# KiCad board SevenSegment.kicad_pcb (continued)
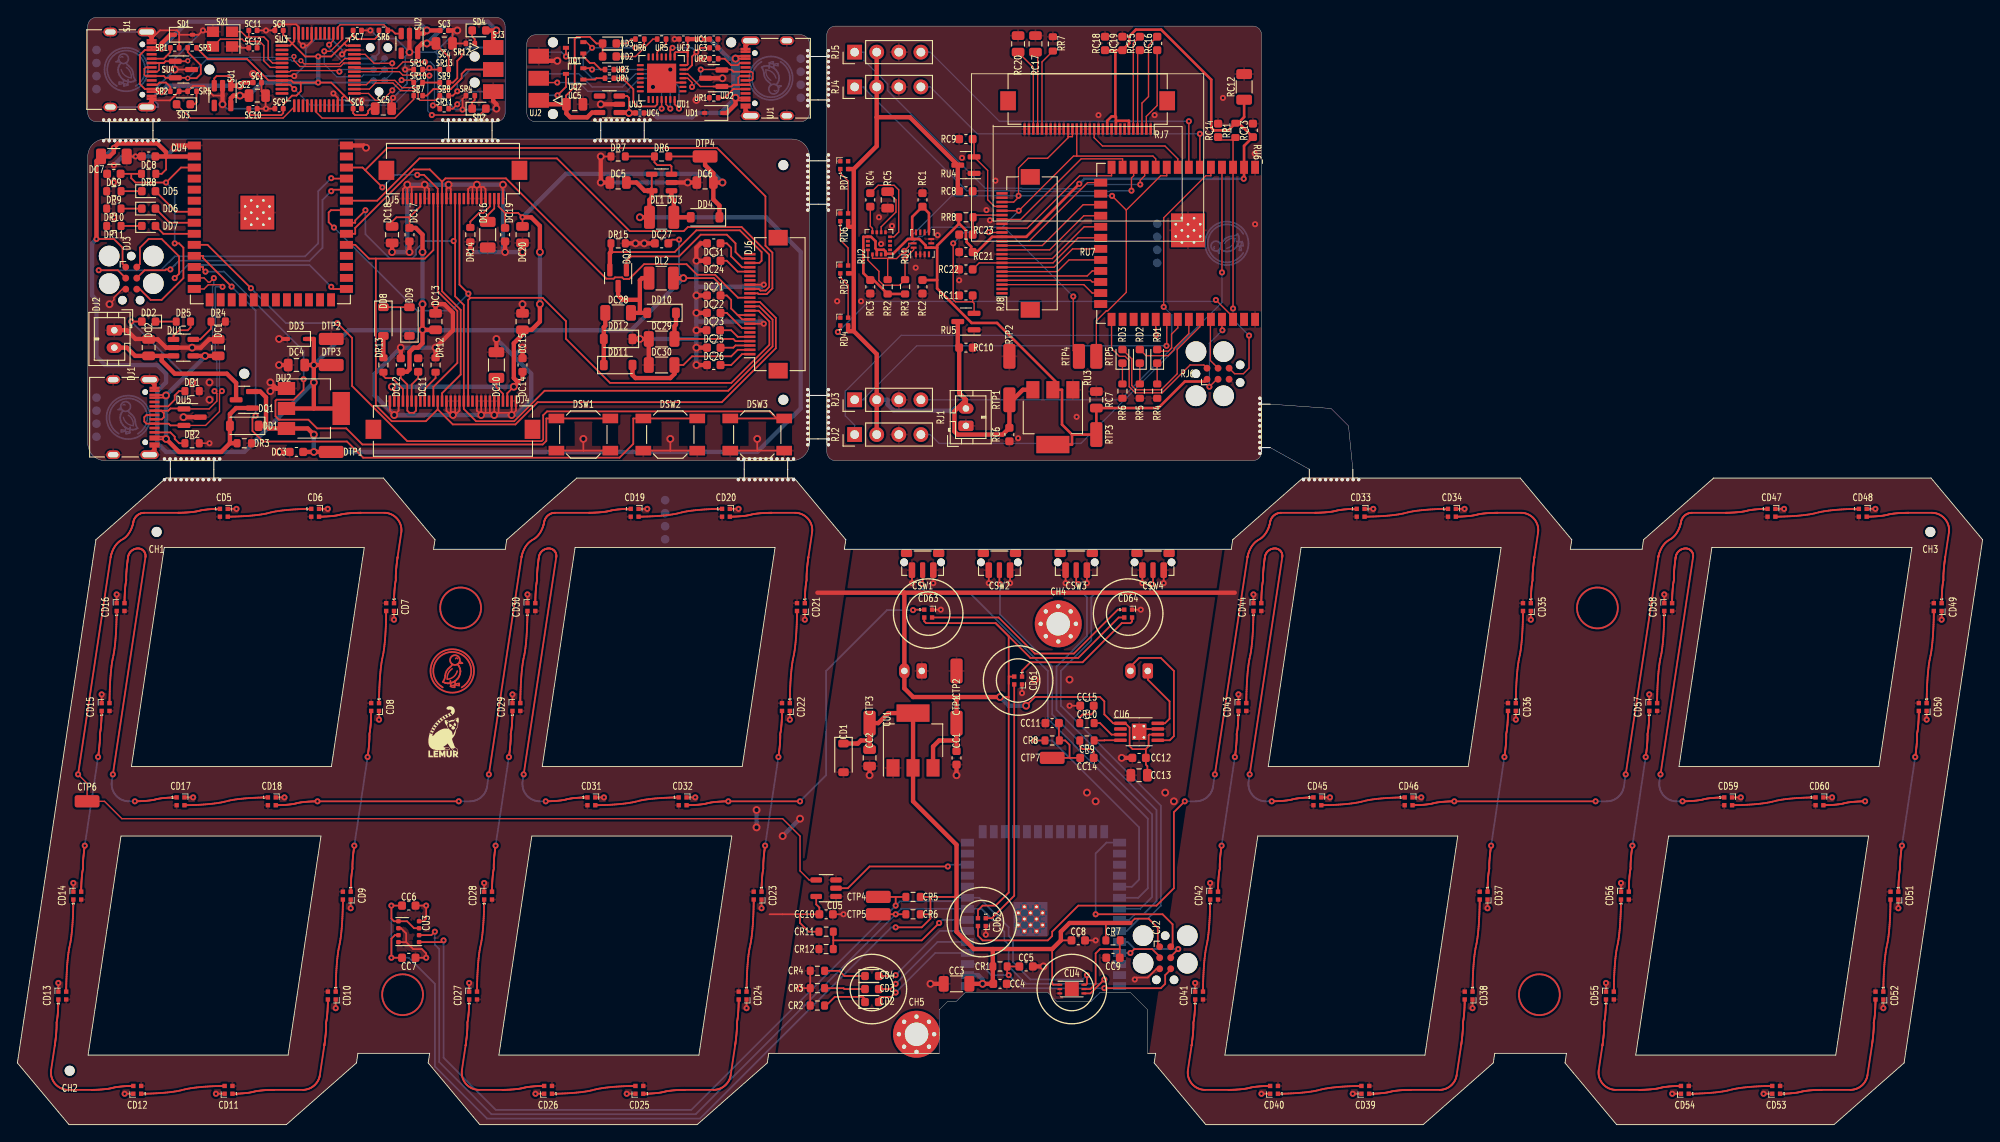
[diagram p0: board, top side]
## Nets (continued)
digit[3].led[9].dout: CD56.3 CD57.1
digit[3].led[10].dout: CD57.3 CD58.1
digit[3].led[11].dout: CD58.3 CD59.1
digit[3].led[12].dout: CD59.3 CD60.1
en_pull.io: SR6.2 SU2.3 SU3.38
epd.boost.boot_cap.neg: DC28.2 DD11.1 DD12.2
epd.boost.inductor.b: DC28.1 DD10.2 DL2.2 DQ2.3
epd.boost.neg_out: DC30.2 DD11.2 DJ6.2
epd.boost.pos_out: DC29.1 DD10.1 DJ6.4
epd.busy: DJ6.16 DU4.35
epd.device.gdr: DJ6.23 DQ2.1
epd.device.nc_vgl: DC31.2 DJ6.21
epd.device.rese: DJ6.22 DQ2.2 DR15.1
epd.device.vcom: DC26.1 DJ6.1
epd.device.vdd1v8: DC22.1 DJ6.7
epd.device.vsh: DC23.1 DJ6.5
epd.device.vshr: DC24.1 DJ6.20
epd.device.vsl: DC25.2 DJ6.3
i2c_chain_0.scl: CR5.2 CTP4.1 CU2.9 CU3.4 CU4.6 RJ7.18 RJ8.20 RR2.2 RTP4.1 RU1.13 RU2.1 RU6.10
i2c_chain_0.sda: CR6.2 CTP5.1 CU2.8 CU3.3 CU4.4 RJ7.19 RJ7.20 RJ8.22 RR3.2 RTP5.1 RU1.14 RU2.16 RU6.9
imu.int1: RU1.4
imu.int2: RU1.9
led.res.a: UD2.1 UR5.1
led_en.res.a: UD3.1 UR6.1
led_target.res.a: SD4.1 SR12.1
led_tgt.res.a: SD2.1 SR4.1
led_tgt.signal: SD2.2 SU3.30
led_usb.res.a: SD3.1 SR5.1
led_usb.signal: SD3.2 SU3.13
ledb.res.a: CD4.1 CR4.1 DD7.1 DR11.1 RD3.1 RR6.1
ledb.signal: CD4.2 CU2.6 DD7.2 DU4.9 RD3.2 RU6.35
ledg.res.a: CD3.1 CR3.1 DD6.1 DR10.1 RD2.1 RR5.1
ledg.signal: CD3.2 CU2.5 DD6.2 DU4.8 RD2.2 RU6.34
ledr.res.a: CD2.1 CR2.1 DD5.1 DR9.1 RD1.1 RR4.1
ledr.signal: CD2.2 CU2.4 DD5.2 DU4.7 RD1.2 RU6.33
mcu.program_boot_node: CJ2.2 CU2.27 DJ3.2 DU4.27 RJ6.2 RU6.27
mcu.program_en_node: CC5.1 CJ2.6 CR1.2 CU2.3 DC9.1 DJ3.6 DR8.2 DU4.3 RC14.1 RJ6.6 RR1.2 RU6.3
mcu.program_uart_node.a_tx: CJ2.3 CU2.37 DJ3.3 DU4.37 RJ6.3 RU6.37
mcu.program_uart_node.b_tx: CJ2.4 CU2.36 DJ3.4 DU4.36 RJ6.4 RU6.36
mcu.swd.swo: SJ2.6 SU3.39
mcu.swd_node.reset: SJ2.3 SU3.7
mcu.swd_node.swclk: SJ2.4 SU3.37
mcu.swd_node.swdio: SJ2.2 SU3.34
mcu.xtal_node.driver.xtal_in: SC11.1 SU3.5 SX1.1
mcu.xtal_node.driver.xtal_out: SC12.1 SU3.6 SX1.3
meta.dout: CD61.1 CD64.3
meta.led[0].dout: CD63.3 CD64.1
oled22.device.vcomh: DC16.1 DJ5.3
oled22.iref_res.a: DJ5.4 DR14.1
oled28.cs: DJ4.12 DJ5.17 DJ6.13 DU4.31
oled28.dc: DJ4.13 DJ5.15 DJ6.14 DU4.32
oled28.device.vcomh: DC10.1 DJ4.27
oled28.device.vdd: DC11.1 DJ4.6
oled28.device.vsl: DJ4.4 DR13.1
oled28.iref_res.a: DJ4.9 DR12.1
oled28.reset: DJ4.11 DJ5.16 DJ6.15 DU4.38
oled28.spi.mosi: DJ4.19 DJ5.11 DJ6.11 DU4.34
oled28.spi.sck: DJ4.18 DJ5.12 DJ6.12 DU4.33
oled28.vsl_d1.cathode: DD8.1 DD9.2
oled28.vsl_res.b: DD8.2 DR13.2
oled.c1_cap.neg: RC15.2 RJ7.5
oled.c1_cap.pos: RC15.1 RJ7.4
oled.c2_cap.neg: RC16.2 RJ7.3
oled.c2_cap.pos: RC16.1 RJ7.2
oled.device.vcc: RC20.1 RJ7.28
oled.device.vcomh: RC17.1 RJ7.27
oled.iref_res.a: RJ7.26 RR7.1
oled.reset: RJ7.14 RU6.8
pwr: CC1.1 CC10.1 CC12.1 CC13.1 CD5.2 CD6.2 CD7.2 CD8.2 CD9.2 CD10.2 CD11.2 CD12.2 CD13.2 CD14.2 CD15.2 CD16.2 CD17.2 CD18.2 CD19.2 CD20.2 CD21.2 CD22.2 CD23.2 CD24.2 CD25.2 CD26.2 CD27.2 CD28.2 CD29.2 CD30.2 CD31.2 CD32.2 CD33.2 CD34.2 CD35.2 CD36.2 CD37.2 CD38.2 CD39.2 CD40.2 CD41.2 CD42.2 CD43.2 CD44.2 CD45.2 CD46.2 CD47.2 CD48.2 CD49.2 CD50.2 CD51.2 CD52.2 CD53.2 CD54.2 CD55.2 CD56.2 CD57.2 CD58.2 CD59.2 CD60.2 CD61.2 CD62.2 CD63.2 CD64.2 CJ1.2 CR11.1 CTP1.1 CU1.3 CU5.5 CU6.1 CU6.6 DC3.1 DC5.1 DD1.1 DL1.1 DQ1.2 DTP1.1 DU2.3 DU3.4 DU3.5
reg_12v.fb.output: DR6.2 DR7.1 DU3.3
reg_12v.power_path.switch: DD4.2 DL1.2 DU3.1
rgb_shift.input: CU2.12 CU5.2
rgb_shift.output: CD5.1 CTP6.1 CU5.4
rgbs.din: RD4.1 RU6.38
rgbs.dout: RD7.3
rgbs.led[0].dout: RD4.3 RD5.1
rgbs.led[1].dout: RD5.3 RD6.1
rgbs.led[2].dout: RD6.3 RD7.1
servo1.fb: RJ2.4 RU6.4
servo1.pwm: RJ2.1 RU6.31
servo2.fb: RJ3.4 RU6.5
servo2.pwm: RJ3.1 RU6.32
servo3.fb: RJ4.4 RU6.6
servo3.pwm: RJ4.1 RU6.12
servo4.fb: RJ5.4 RU6.7
servo4.pwm: RJ5.1 RU6.11
spk_chain_0: CR8.1 CU2.31
spk_chain_1: CC11.1 CC14.2 CR8.2 CTP7.1
spk_chain_2.a: CJ3.1 CU6.8
spk_chain_2.b: CJ3.2 CU6.5
spk_drv.inn_cap.pos: CC15.1 CR10.1
spk_drv.inn_res.b: CR10.2 CU6.3
spk_drv.inp_cap.pos: CC14.1 CR9.1
spk_drv.inp_res.b: CR9.2 CU6.4
sw[0].out: CSW1.2 CU2.32 DSW1.1 DU4.12
sw[1].out: CSW2.2 CU2.33 DSW2.1 DU4.11
sw[2].out: CSW3.2 CU2.34 DSW3.1 DU4.10
sw[3].out: CSW4.2 CU2.35
target_drv.reset_in: SR7.1 SU3.18
target_drv.swclk_in: SR8.1 SU3.26
target_drv.swd.reset: SJ3.3 SR7.2
target_drv.swd.swclk: SJ3.4 SR8.2
target_drv.swd.swdio: SJ3.2 SR9.2
target_drv.swdio_in: SR10.1 SU3.25
target_drv.swdio_out: SR9.1 SR10.2 SU3.27
target_drv.swo_in: SJ3.6 SR11.2
target_drv.swo_out: SR11.1 SU3.31
target_sense.output: SR13.2 SR14.1 SU3.10
usb.conn.A5: DJ1.A5 DR1.2 SJ1.A5 SR1.2
usb.conn.B5: DJ1.B5 DR2.2 SJ1.B5 SR2.2
usb_chain_0.d_N: DJ1.A7 DJ1.B7 DU4.13 DU5.1 SJ1.A7 SJ1.B7 SU3.32 SU4.1 UJ1.A7 UJ1.B7 UU1.5 UU2.1
usb_chain_0.d_P: DJ1.A6 DJ1.B6 DU4.14 DU5.2 SJ1.A6 SJ1.B6 SR3.2 SU3.33 SU4.2 UJ1.A6 UJ1.B6 UU1.4 UU2.2
usb_uart.conn.A5: UJ1.A5 UR1.2
usb_uart.conn.B5: UJ1.B5 UR2.2
usbconv.cts: UU1.23
usbconv.dcd: UU1.1
usbconv.dsr: UU1.27
usbconv.dtr: UQ2.2 UR3.1 UU1.28
usbconv.ic.vdd: UC3.1 UU1.6 UU1.9
usbconv.nsuspend: UU1.11
usbconv.ri: UU1.2
usbconv.rts: UQ1.2 UR4.1 UR6.2 UU1.24
usbconv.suspend: UR5.2 UU1.12
usbconv.uart.rx: UJ2.3 UU1.25
usbconv.uart.tx: UJ2.4 UU1.26
vtarget: SC4.1 SD4.2 SJ3.1 SR13.1 SU2.5
vusb: DC1.1 DD1.2 DD2.2 DJ1.A4 DJ1.A9 DJ1.B4 DJ1.B9 DQ1.1 DR3.1 DU1.4 SC1.1 SC3.1 SD1.1 SJ1.A4 SJ1.A9 SJ1.B4 SJ1.B9 SU1.1 SU1.3 SU2.1 UC1.1 UC2.1 UC4.1 UD1.1 UJ1.A4 UJ1.A9 UJ1.B4 UJ1.B9 UU1.7 UU1.8 UU3.1 UU3.3

Pads without a net: CH4 1; CH5 1; CSW1 MP; CSW2 MP; CSW3 MP; CSW4 MP; CU2 10 11 13 14 15 16 17 18 19 20 21 22 23 24 25 26 28 29 30 38 39; CU4 7; CU6 2; DJ1 A8 B8; DJ4 8 10 20 MP; DJ5 10 21 MP; DJ6 6 18 19 24 MP; DU4 4 5 6 15 16 17 18 19 20 21 22 23 24 25 26 28 29 30 39; RJ7 7 MP; RJ8 24 MP; RU1 10 11; RU2 3 5 6 7 14; RU6 16 26 28 29 30 39; SJ1 A8 B8; SU1 4; SU2 4; SU3 2 3 4 11 12 14 15 16 17 19 20 21 22 28 29 40 41 42 43 45 46; UJ1 A8 B8; UU1 10 13 14 15 16 17 18 19 20 21 22; UU3 4

## Via types
v1: diameter 4.9, hole 4.5, Front to Back, 4 vias
v2: diameter 0.9, hole 0.5, Front to Back, 106 vias
v3: diameter 0.7, hole 0.3, Front to Back, 262 vias
v4: diameter 0.6, hole 0.3, Front to Back, 4 vias

## Routing (per net, layer and track width the routed paths; a pad name or vN(x,y) marks a point on that pad's centre or on a via; arc(x,y) is an arc through that point)
gnd: length 554.7
  Front w0.16: DJ3.5 12.07,96.13 11.09,95.15 11.09,94.9 v2(10.59,94.4) ; DR2.1 v3(22.09,78.4)
  Front w0.2: v3(40.59,125.9) SC7.2 ; v3(39.59,117.9) 39.58,117.88 SC6.2 ; 54.34,81.9 54.84,81.9 ; 54.34,81.9 DJ4.24 ; 54.34,81.9 53.84,81.9 ; 54.84,81.9 55.34,81.9 ; 54.84,81.9 v2(54.84,81.65) ; 54.84,81.9 DJ4.25 ; CD45.4 v3(150.97,37.65) ; CD7.4 v3(43.32,58.1) ; 105.34,63.8 v3(105.34,62.3) ; SC9.2 v3(28.59,116.9) ; v3(28.59,116.9) 28.55,116.95 SC2.2 28.08,118.87 SC1.2 28.08,120.42 27.59,120.9 v2(27.09,120.9) ; v3(28.59,116.9) SC10.2 ; CD60.4 v3(208.72,37.65) ; CD8.4 v3(41.59,46.6) ; SU4.3 v2(18.09,121.4) ; DJ5.13 49.84,107.65 49.59,107.9 ; DJ5.1 v2(55.84,108.15) ; CU3.5 44.72,21 ; 44.72,21 45.52,20.2 46.52,20.2 47.02,19.7 v3(47.02,19.2) CC7.2 ; 44.72,21 44.72,22 44.11,22.6 CU3.7 ; UU1.3 74.59,119.9 UU1.29 v2(73.09,119.4) v2(75.09,121.4) ; 46.84,107.9 v2(46.84,108.15) ; 46.84,107.9 DJ5.19 ; 46.84,107.9 45.34,107.9 ; 46.84,107.9 47.09,107.9 47.34,107.65 DJ5.18 ; SC11.2 v3(28.59,125.9) 29.31,125.9 ; DJ4.29 56.84,81.9 ; 56.84,81.9 v2(56.84,81.65) ; 56.84,81.9 57.09,81.9 57.34,82.15 DJ4.30 ; 56.84,81.9 55.34,81.9 ; CD29.4 v3(56.94,49.5) ; DJ4.14 49.34,82.15 49.59,81.9 49.84,81.9 ; DJ5.9 51.84,107.65 52.09,107.9 52.34,107.9 ; CD59.4 v3(198.22,37.65) ; DJ4.1 42.84,82.15 v2(43.34,81.65) 43.84,82.15 DJ4.3 ; 65.09,77.55 DSW1.2 ; 65.09,77.55 v2(65.09,78.9) ; 65.09,77.55 DSW1.2 ; DSW2.2 75.09,77.55 ; 75.09,77.55 v2(75.09,78.9) ; 75.09,77.55 DSW2.2 ; CD11.4 v3(22.83,3.55) ; 85.09,77.55 DSW3.2 ; 85.09,77.55 v2(85.09,78.9) ; 85.09,77.55 DSW3.2 ; CD24.4 v3(83.86,13.4) ; CD20.4 v3(82.94,70.85) ; SR12.2 SC4.2 50.05,125.9 ; SU3.8 v3(31.84,120.65) ; DJ5.22 45.34,107.9 ; 45.34,107.9 44.84,107.9 ; CD33.4 v3(155.94,70.85) ; 49.84,81.9 DJ4.15 ; 49.84,81.9 50.09,81.9 ; CD52.4 v3(214.61,13.4) ; SR14.2 v3(44.59,121.4) ; SJ1.B1 SJ1.A12 ; UR2.1 v3(78.59,122.65) ; CD9.4 v3(38.34,24.9) ; 15.44,124.95 16.4,125.91 18.35,125.91 18.61,125.66 18.61,125.4 ; 44.84,107.9 DJ5.23 ; 44.84,107.9 44.59,107.9 44.34,107.65 DJ5.24 ; 44.84,107.9 v2(44.84,108.15) ; CR3.2 v3(90.02,15.7) ; CR3.2 CR2.2 ; CR3.2 CR4.2 ; CSW1.1 v3(102.89,62.3) ; CD25.4 v3(70.08,3.55) ; CSW2.1 v3(111.72,62.3) ; SU3.44 33.84,124.65 33.34,124.15 v3(32.84,124.15) 32.34,124.65 SU3.47 32.34,126.31 32.05,126.6 30.01,126.6 29.31,125.9 ; DJ5.14 49.34,107.65 49.59,107.9 ; 53.84,81.9 53.34,81.9 ; 53.84,81.9 DJ4.23 ; 189.42,60 v3(189.42,61) ; SC12.2 25.8,123.9 25.65,124.05 SX1.4 ; CD21.4 v3(90.57,58.1) ; SX1.2 21.5,125.75 v3(21.34,125.9) 20.84,125.4 SD1.2 18.61,125.4 ; DJ5.6 53.34,107.9 ; 53.34,107.9 53.59,107.9 53.84,107.65 DJ5.5 ; 53.34,107.9 52.84,107.9 ; CD44.4 v3(142.17,61) ; DJ5.7 52.84,107.9 ; 52.84,107.9 52.34,107.9 ; 52.84,107.9 v2(52.84,108.15) ; 29.31,125.9 SC8.2 ; 53.34,81.9 53.09,81.9 52.84,82.15 DJ4.21 ; 53.34,81.9 DJ4.22 ; 53.34,81.9 v2(53.34,81.65) ; 55.34,81.9 DJ4.26 ; DJ4.17 50.84,82.15 50.59,81.9 50.34,81.9 ; 36.61,14.4 v3(36.61,13.4) ; CC10.2 v3(95.02,24.2) ; SU3.23 36.84,118.15 v3(36.34,118.65) ; CD6.4 v3(35.69,70.85) ; CD63.4 v3(106.2,59.25) ; CD26.4 v3(59.58,3.55) ; CD38.4 v3(167.36,13.4) ; CJ2.5 131.02,17.93 130.01,16.93 128.74,16.93 v3(128.51,16.7) ; UC2.2 v3(75.59,124.9) ; DJ5.8 52.34,107.9 ; CD37.4 v3(169.09,24.9) ; CU6.7 129.34,45.53 ; CD55.4 v3(182.71,16.3) ; 18.61,125.4 SR1.1 ; CC8.2 v3(124.02,21.2) ; 50.09,81.9 50.34,81.9 ; 50.09,81.9 v2(50.09,81.65) ; 50.34,81.9 DJ4.16 ; CD43.4 v3(140.44,49.5) ; SC5.2 43.05,117.99 v3(43.21,118.15) ; CD17.4 v3(20.22,37.65) ; CD5.4 v3(25.19,70.85) ; CD61.4 v3(115.55,49.65) ; CD53.4 v3(200.84,3.55) ; 49.59,107.9 v2(49.59,108.15) ; CSW3.1 v3(120.56,62.3) ; CD48.4 v3(213.69,70.85) ; v3(37.34,123.15) 37.84,123.65 SU3.35 ; 15.44,117.85 17.55,117.85 SR2.1 SR5.2 20.2,119.51 21.43,119.51 22.54,118.4 23.59,118.4 ; 174.07,59.1 v3(174.07,58.1) ; CD16.4 v3(11.42,61) ; CD30.4 v3(58.67,61) ; CD62.4 v3(111.38,21.85) ; CSW3.1 v3(123.01,62.3) ; CD41.4 v3(135.46,16.3) ; CD22.4 v3(88.84,46.6) ; CD54.4 v3(190.34,3.55) ; v3(51.2,116.8) 51.2,118.01 SR4.2 ; CD14.4 v3(6.44,27.8) ; CD40.4 v3(143.09,3.55) ; CSW4.1 v3(131.84,62.3) ; DJ6.8 v3(85.84,92.15) ; 221.32,59.1 v3(221.32,58.1) ; CD19.4 v3(72.44,70.85) ; CC15.2 v3(121.02,48.2) ; CD28.4 v3(53.69,27.8) ; DJ6.17 v3(85.84,96.65) ; 4.71,15.3 v3(4.71,16.3) ; DC8.2 v3(13.59,111.4) DC7.2 ; CD64.4 v3(129.21,59.25) ; CD46.4 v3(161.47,37.65) ; CC6.2 v3(47.02,25.2) 47.02,23.7 46.72,23.4 CU3.1 ; CSW4.1 v3(129.39,62.3) ; CD31.4 v3(67.47,37.65) ; CD32.4 v3(77.97,37.65) ; 216.34,25.9 v3(216.34,24.9) ; CD36.4 v3(172.34,46.6) ; CD34.4 v3(166.44,70.85) ; 9.69,48.5 v3(9.69,49.5) ; SJ1.B12 SJ1.A1 ; CSW2.1 v3(114.17,62.3) ; CD23.4 v3(85.59,24.9) ; 137.19,26.8 v3(137.19,27.8) ; CD12.4 v3(12.33,3.55) ; CD39.4 v3(153.59,3.55) ; 51.96,15.3 v3(51.96,16.3) ; CD47.4 v3(203.19,70.85) ; CD50.4 v3(219.59,46.6) ; CD57.4 v3(187.69,49.5) ; CD56.4 v3(184.44,27.8) ; DR7.2 v2(67.09,111.4) ; CD18.4 v3(30.72,37.65)
  Front w0.5: 29.8,84.7 v2(29.09,85.4) ; 29.8,84.7 29.39,84.7 v2(29.09,84.4) ; 29.8,84.7 DU2.1 29.8,84.7 ; DR14.2 v2(52.09,100.4) ; DC23.2 v2(78.09,91.4) ; DC12.2 v2(44.09,89.4) ; DC25.1 v2(78.09,89.4) ; DC26.2 v2(78.09,87.4) ; DJ1.S1 15.77,85.16 DJ1.A1 ; DU3.2 v2(77.09,108.4) DC6.2 ; DD12.1 v2(71.59,90.4) DC29.2 DC30.1 ; UJ1.S1 83.75,124.16 UJ1.A12 ; DC15.2 v2(58.09,94.4) ; DC24.2 v2(78.09,99.4) 78.09,100.9 78.59,101.4 DC31.1 ; SJ1.A1 15.44,125.16 SJ1.S1 ; DC13.2 v2(48.09,94.4) 49.09,94.4 50.09,93.4 50.09,91.4 v2(48.09,89.4) DR12.2 ; DR15.2 v2(71.09,101.4) v2(72.09,101.4) DC27.2 ; DC21.2 v2(78.09,95.4) ; DC22.2 v2(78.09,93.4) ; CC1.2 v2(108.02,40.2) ; DU4.1 18.36,112.66 v2(18.09,112.4) ; v2(55.09,116.9) 55.09,117.4 54.72,117.77 SJ3.5 ; DD3.2 v2(30.09,90.4) ; DC3.2 v2(30.09,77.4) ; v2(23.59,117.4) SU1.2 ; DC17.2 v2(45.09,100.4) ; UU3.2 v2(67.09,117.4) ; DC1.2 22.05,90.35 21.09,89.4 v2(20.09,89.4) DU1.2 17.09,89.4 16.14,90.35 DC2.2 15.05,90.4 13.59,90.4 12.59,91.4 DJ2.1 ; DC4.2 v2(30.09,87.4) ; UJ1.A1 83.75,116.65 UJ1.S1 ; SU2.2 v2(45.09,123.4) ; DJ1.S1 15.77,77.65 DJ1.A12 ; CC2.2 v2(98.02,40.2) ; 65.14,117.3 UC5.2 ; v2(40.09,112.4) 39.83,112.66 DU4.40 ; SC3.2 v2(50.59,125.9) ; DC20.2 v2(58.09,100.4) ; DU5.3 v2(19.09,81.4) ; DC19.2 v2(56.09,100.4) ; CC12.2 v2(127.02,42.2) ; DC5.2 v2(67.09,108.4) v2(67.09,111.4) ; UU2.3 v2(81.09,120.4) ; CC5.2 v2(118.02,18.2) ; v2(62.09,122.4) 60.5,122.4 UJ2.5 ; DC18.2 v2(43.09,100.4) ; DC10.2 v2(55.09,90.4) ; SJ1.A12 15.44,117.65 SJ1.S1 ; DC14.2 v2(58.09,89.4) ; CC3.2 v2(105.02,16.2)
  Back w0.2: v2(27.09,120.9) 27.34,120.65 v3(31.84,120.65) 33.16,121.97 33.16,123.83 ; 33.16,123.83 v3(32.84,124.15) ; 33.16,123.83 34.19,124.86 36.15,124.86 37.34,123.67 v3(37.34,123.15) 37.83,122.67 SJ2.5 41.59,123.31 41.59,124.96 ; v3(28.59,116.9) 24.09,116.9 v2(23.59,117.4) ; 41.59,124.96 40.66,125.9 v3(40.59,125.9) ; 41.59,124.96 43.53,124.96 v2(45.09,123.4) ; v2(45.09,123.4) 44.59,122.9 v3(44.59,121.4) 44.81,121.19 44.81,119.75 v3(43.21,118.15) 42.9,117.84 39.65,117.84 v3(39.59,117.9) 37.09,117.9 v3(36.34,118.65) ; v2(45.09,123.4) 48.09,123.4 ; SJ1.S1 SJ1.S1 ; v3(21.34,125.9) 18.09,122.65 v2(18.09,121.4) 15.85,119.15 15.85,117.72 16.18,117.39 16.18,117.08 SJ1.S1 SJ1.S1 ; 48.09,123.4 48.35,123.15 48.35,118.79 50.35,116.8 v3(51.2,116.8) 54.99,116.8 v2(55.09,116.9) ; 48.09,123.4 v2(50.59,125.9)
  Back w0.5: 78.09,92.4 v2(78.09,93.4) v2(78.09,95.4) 78.09,96.4 ; 78.09,92.4 85.59,92.4 v3(85.84,92.15) ; 78.09,92.4 v2(78.09,91.4) 78.09,90.4 ; 57.09,88.4 v2(55.09,90.4) ; 57.09,88.4 v2(58.09,89.4) ; 57.09,88.4 59.09,86.4 59.09,83.4 57.34,81.65 v2(56.84,81.65) v2(54.84,81.65) v2(53.34,81.65) v2(50.09,81.65) v2(43.34,81.65) 41.09,83.9 41.09,86.4 v2(44.09,89.4) v2(48.09,89.4) ; v2(56.09,100.4) v2(58.09,100.4) ; v2(56.09,100.4) 55.84,100.65 v2(55.84,108.15) v2(52.84,108.15) v2(49.59,108.15) v2(46.84,108.15) v2(44.84,108.15) 44.84,100.65 v2(45.09,100.4) v2(43.09,100.4) ; v2(56.09,100.4) v2(52.09,100.4) ; 78.09,96.4 85.59,96.4 v3(85.84,96.65) ; 78.09,96.4 v2(78.09,99.4) ; v2(78.09,87.4) v2(78.09,89.4) 78.09,90.4 ; 78.09,90.4 v2(71.59,90.4) ; v2(18.09,112.4) 17.09,111.4 v3(13.59,111.4) 12.09,111.4 v3(11.09,110.4) ; v2(67.09,108.4) v2(77.09,108.4)
  vias: v2(20.09,85.4) v2(22.09,85.4) v2(22.09,83.4) v2(78.09,117.9) v2(117.02,51.2) v2(121.02,51.2) v2(123.02,38.2) v2(124.02,37.2) v2(132.01,38.2) v2(133.01,37.2) v3(11.09,108.4) v3(11.09,104.4) v3(94.29,94.74) v3(97.03,94.74) v3(99.09,104.4) v3(99.34,101.33) v3(100.59,103.4) v3(103.32,98.6) v3(105.84,102.34) v3(108.32,97.15) v3(108.65,111.24) v3(111.46,105.23) v3(111.86,104.05) v3(112.49,108.61) v3(115.1,78.98) v3(121.83,81.44) v3(124.34,116.15) v3(130.8,116.15) v3(138.65,118.13) v3(142.31,111.73) v3(142.35,103.6)
v1v2: length 17.1
  Front w0.15: v3(111.73,102.69) 111.76,102.65 RJ8.15 ; 109.87,94.67 110.03,94.51 RU5.2 ; 109.87,94.67 107.89,94.67 107.63,94.94 v3(107.63,101.4) ; 109.87,94.67 RC11.1
  Back w0.15: v3(111.73,102.69) 108.92,102.69 v3(107.63,101.4)
v2v5: length 9.7
  Front w0.15: RC9.1 110.03,113.24 RU4.2 111.59,109.79 111.59,106.42 112.37,105.65 RJ8.21
v3v3: length 687.1
  Front w0.2: DJ5.20 46.34,105.65 45.09,104.4 ; 105.02,24.2 105.02,23.7 104.02,22.7 v3(101.02,22.7) ; 105.02,24.2 103.84,24.2 ; 105.02,24.2 105.02,26.2 ; SR3.1 21.89,122.61 26.41,122.61 28.87,120.15 SU3.9 31.5,120.15 31.75,119.9 32.59,119.9 ; SC7.1 38.61,125.42 ; 38.61,125.42 37.59,124.4 ; 38.61,125.42 38.61,125.38 39.09,124.9 41.09,124.9 41.58,125.39 SR6.1 ; 17.09,111.4 17.09,109.9 16.59,109.4 DR8.1 ; DC18.1 43.09,103.9 43.59,104.4 45.09,104.4 ; SU3.36 37.84,124.15 37.59,124.4 ; 119.02,20.2 119.02,16.2 119.11,16.1 CU4.1 ; CC6.1 v3(43.02,25.2) 43.02,23.7 43.31,23.4 CU3.8 44.81,23.4 45.61,22.6 CU3.2 ; 82.84,93.15 82.09,93.9 82.09,94.9 81.59,95.4 DC21.1 80.87,96.62 80.09,97.4 v2(76.59,97.4) ; 82.84,93.15 83.34,92.65 DJ6.9 ; 82.84,93.15 DJ6.10 ; 31.59,124.4 30.58,125.42 SC8.1 ; 31.59,124.4 31.84,124.65 SU3.48 ; 31.59,124.4 33.09,122.9 v3(34.59,122.9) 36.09,122.9 37.59,124.4 ; 31.59,124.4 31.34,124.15 SU3.1 ; CR7.1 125.19,23.12 125.27,23.2 ; CJ2.1 131.17,20.68 131.17,22.64 130.1,23.7 128.51,23.7 128.01,23.2 ; UC5.1 63.09,117.45 63.09,118.4 64.09,119.4 64.09,124.9 64.34,125.15 65.84,125.15 66.59,124.4 UD3.2 UD2.2 ; 108.02,26.2 105.02,26.2 ; 105.02,26.2 103.84,26.2 ; 45.09,104.4 DC17.1 ; v3(9.09,101.9) 11.09,101.9 12.09,100.9 12.1,100.9 12.1,99.3 12.09,99.3 12.09,99.04 DJ3.1 ; SU3.24 37.34,118.15 37.59,118.4 ; 37.59,118.4 36.09,119.9 v3(34.59,119.9) 32.59,119.9 ; 37.59,118.4 38.61,117.38 SC6.1 38.61,116.38 38.84,116.15 40.09,116.15 40.34,116.4 40.34,116.65 40.59,116.9 SC5.1 ; v3(76.1,101.83) 75.3,101.83 DC27.1 ; CU3.6 43.41,21.8 43.02,21.4 v3(43.02,19.2) CC7.1 ; 120.02,21.2 CC8.1 ; 32.59,119.9 32.59,118.9 32.09,118.4 31.59,118.4 30.58,117.38 SC9.1 30.58,116.38 30.34,116.15 26.84,116.15 26.61,116.38 SC10.1 ; DJ4.7 45.84,82.15 45.59,81.9 45.09,81.9 44.84,82.15 DJ4.5 44.84,85.15 44.09,85.9 DC12.1
  Front w0.3: 140.44,115.28 RC13.1 141.09,112.62 RU6.2 141.09,109.1 141.05,109.06 v3(141.05,108.83) ; 140.44,115.28 141.09,115.93 RC12.1 ; 140.44,115.28 140.15,115.28 RR1.1 139.27,114.4 137.62,114.4 137.31,114.71 137.31,120.23 131.55,125.99 128.64,125.99 127.89,125.24 127.89,124.42 RC19.1 126.28,123.62 ; 126.28,123.62 RC18.1 ; 126.28,123.62 126.28,116.01 ; 126.28,116.01 126.34,115.94 126.34,115.5 ; 126.28,116.01 125.85,116.01 125.34,115.5 RJ7.11 ; 102.92,101.9 102.92,104.45 RC1.1 104.84,104.88 RU1.8 ; 102.92,101.9 102.42,101.9 100.72,100.2 99.84,100.2 ; 102.92,101.9 RU1.12 103.72,101.9 104.47,101.15 104.47,100.9 RU1.5 105.78,100.9 ; 98.84,100.66 98.69,100.81 98.69,101.64 98.19,102.15 97.82,102.15 RU2.13 97.29,102.15 97.29,97.98 RC3.1 98.5,97.18 RR2.1 RR3.1 ; 98.84,100.66 99.65,100.66 99.84,100.47 99.84,100.2 ; 98.84,100.66 RU2.2 ; 108.32,103.68 108.27,103.73 RR8.1 ; 108.32,103.68 109.09,102.9 109.09,101.95 109.19,101.86 109.19,101.53 109.7,101.02 109.7,100.57 RC21.1 110.36,100.4 112.11,102.15 RJ8.14 116.03,102.15 v3(122.14,108.25) ; 108.32,103.68 105.78,101.14 105.78,100.9 ; 105.78,97.18 RC2.1 ; 105.78,97.18 105.78,96.21 109.75,92.24 112.67,92.24 119.62,85.29 119.62,84.55 ; 105.78,97.18 105.78,100.9 ; 99.84,100.2 RU2.4 ; RU3.2 119.62,84.55 ; 119.62,84.55 120.15,84.55 120.15,80.55 121.3,79.4 ; 121.3,79.4 RTP3.1 RC7.1 131.22,82.45 134.27,85.5 136.56,85.5 RJ6.1 ; 121.3,79.4 121.3,78.25 RU3.2 ; 126.34,115.5 RJ7.9 ; 126.34,115.5 127.84,115.5 RJ7.6
  Front w0.5: DU2.2 34.09,82.4 ; 34.09,82.4 v2(34.09,85.4) v2(34.09,87.4) ; 34.09,82.4 DU2.2 ; 112.19,20.2 119.02,20.2 120.02,21.2 120.02,22.2 121.02,23.2 128.01,23.2 ; 112.19,20.2 CR1.1 112.19,16.25 ; 112.19,20.2 110.02,20.2 108.02,22.2 108.02,32.2 103.02,37.2 CU1.2 CU1.2 100.16,47.35 99.02,46.2 CTP3.1 98.02,44.2 ; v2(46.59,91.45) DC13.1 ; v2(46.59,91.45) 46.59,89.9 46.09,89.4 45.59,89.4 45.09,88.9 45.09,86.9 44.82,86.62 DC12.1 ; v2(46.59,91.45) v2(46.59,94.4) ; UU3.5 66.09,116.45 65.55,115.9 63.59,115.9 63.14,116.35 UC5.1 60.42,117.4 UJ2.1 ; v2(34.09,87.4) DTP3.1 ; v2(34.09,87.4) 34.09,90.4 DD3.1 ; v2(34.09,87.4) DC4.1 ; 98.02,44.2 97.02,44.2 96.66,43.85 CD1.1 ; 98.02,44.2 CC2.1 ; SU1.5 24.55,118.1 24.84,118.4 v2(25.59,118.4) SC2.1 ; DC17.1 45.82,103.18 46.59,102.4 v2(46.59,100.4) ; 17.09,111.4 17.11,111.39 DU4.2 ; 17.09,111.4 DC8.1 ; 17.09,111.4 17.09,111.9 16.09,112.9 11.59,112.9 v3(11.09,112.4) 11.09,111.9 10.59,111.4 DC7.1 9.09,110.88 v3(9.09,101.9) ; DL2.1 v2(76.59,97.4) ; CC3.1 112.24,16.2
  Back w0.2: v3(43.02,25.2) v3(43.02,19.2) 45.02,19.2 48.02,16.2 48.02,6.7 54.02,0.7 78.52,0.7 100.52,22.7 v3(101.02,22.7) ; v3(76.1,101.83) 76.1,97.89 v2(76.59,97.4) ; v3(34.59,119.9) 40.73,119.9 SJ2.1
  Back w0.3: v3(122.14,108.25) 122.71,108.83 v3(141.05,108.83)
  Back w0.5: v2(46.59,94.4) v2(46.59,100.4) ; v3(34.59,122.9) v3(34.59,119.9) 28.09,119.9 26.59,118.4 v2(25.59,118.4) ; CU2.2 110,17.21 110.02,17.2 110.52,17.2 111.02,16.7 v2(111.02,16.2) ; v2(76.59,97.4) 70.59,91.4 46.64,91.4 v2(46.59,91.45) 46.55,91.4 38.09,91.4 v2(34.09,87.4) v2(34.09,85.4) 26.09,77.4 17.09,77.4 16.09,78.4 16.09,84.4 17.09,85.4 17.09,86.4 16.09,87.4 10.09,87.4 9.09,88.4 9.09,94.9 8.59,95.4 8.59,101.4 v3(9.09,101.9) 9.09,110.4 v3(11.09,112.4)
v5v_sense.output: length 18.4
  Front w0.2: v3(106.02,23.2) 104.02,21.2 93.84,21.2 ; 93.84,22.2 93.84,21.2 ; 93.84,21.2 93.84,20.2
  Back w0.2: v3(106.02,23.2) 106.38,23.56 CU2.7
v12: length 87.9
  Front w0.2: 56.09,104.9 55.34,105.65 DJ5.2 ; 56.09,104.9 57.59,104.9 v3(58.09,104.4) DC20.1 ; 56.09,104.9 DC19.1 ; 58.09,85.9 57.84,85.65 57.34,85.65 ; DJ4.2 43.34,84.62 v2(43.07,84.9) ; DR6.1 DTP4.1 ; DJ4.28 56.34,84.15 v2(57.09,84.9)
  Front w0.5: v2(57.09,84.9) 57.59,85.4 57.09,85.9 57.09,89.9 58.09,90.9 DC15.1 59.14,91.45 60.09,92.4 v2(60.09,94.4) ; DD4.1 80.75,105.75 80.05,106.45 DC6.1 ; DC6.1 80.05,109.45 79.09,110.4 DTP4.1 ; DC6.1 v2(81.09,108.4) ; DC14.1 58.09,85.9 ; v2(60.09,100.4) 60.09,103.4 59.09,104.4 v3(58.09,104.4)
  Back w0.5: v2(60.09,94.4) v2(60.09,100.4) ; v2(57.09,84.9) v2(43.07,84.9) ; v3(58.09,104.4) 63.09,109.4 80.09,109.4 v2(81.09,108.4)
vbatt: length 123.1
  Front w0.5: RU5.3 108.16,89.56 RC10.1 108.32,84.18 109.09,83.4 ; RJ2.2 RJ3.2 98.84,88.66 96.2,91.3 ; DJ2.2 12.59,89.4 13.55,88.45 DC2.1 16.59,88.45 ; 109.09,83.4 107.77,82.08 107.77,79.76 108.13,79.4 113.32,79.4 RC6.1 RTP1.1 114.49,83.4 115.64,84.55 RU3.3 ; 109.09,83.4 RJ1.2 ; 96.2,97.95 96.2,103.3 ; 96.2,97.95 RD5.2 ; 96.2,97.95 96.2,91.3 ; 96.2,103.3 95.55,103.3 RD6.2 ; 96.2,103.3 96.2,109.95 ; 96.2,91.3 95.55,91.3 RD4.2 ; DQ1.3 25.16,85.34 24.09,86.4 18.09,86.4 16.59,87.9 16.59,88.45 ; 96.2,109.95 98.84,112.59 98.84,115.9 ; 96.2,109.95 RD7.2 ; 16.59,88.45 DU1.3 ; 98.84,115.9 RJ4.2 RJ5.2 ; 98.84,115.9 98.85,115.91 102.64,115.91 RU4.3 108.16,107.56 RC8.1
  Back w0.5: RJ1.2 107.82,82.4 107.57,82.15 100.79,82.15 100.09,82.85 100.09,83.4 RJ3.2
(no net):
  vias: v1(44.3,14.95) v1(50.98,59.45) v1(175.05,14.95) v1(181.73,59.45)
als.dvi_res.b: length 10
  Front w0.2: 126.79,20.2 126.79,21.15 ; 126.79,20.2 124.52,20.2 124.02,19.7 124.02,16.2 123.41,15.6 CU4.5 ; 126.79,20.2 CC9.1
auto.boot: length 5.4
  Front w0.2: UQ2.3 63.09,119.41 v3(62.12,118.43)
  Back w0.2: v3(62.12,118.43) 60.38,118.43 59.86,117.92 59.86,117.86
auto.dtr_res.b: length 3.5
  Front w0.2: UR3.2 67.09,121.4 66.34,122.15 65.84,122.15 65.09,122.9 UQ1.1
auto.en: length 4.5
  Front w0.2: v3(63.09,122.9) UQ1.3
  Back w0.16: v3(63.09,122.9) 62.59,123.4 60.43,123.4 UJ2.6
auto.rts_res.b: length 2.6
  Front w0.2: UR4.2 66.59,120.4 66.44,120.25 UQ2.1
cam.device.reset: length 5.4
  Front w0.15: RC23.1 109.92,102.45 RR8.2 110.17,104.65 RJ8.19
cam.href: length 16.1
  Front w0.15: RU6.14 125.84,109.17 122.18,109.17 116.15,103.15 RJ8.16
cam.pclk: length 16.2
  Front w0.15: RC22.1 110.62,99.15 RJ8.8 119.11,99.15 121.99,102.04 RU6.20
cam.vsync: length 17.7
  Front w0.15: RJ8.18 115.38,104.15 122.36,111.13 127.11,111.13 RU6.13
cam.xclk: length 13.3
  Front w0.15: RU6.17 122.58,105.84 117.88,101.15 RJ8.12
cam.y.2: length 11.9
  Front w0.15: RJ8.6 119.61,98.15 120.95,99.5 RU6.22
cam.y.3: length 11.4
  Front w0.15: RJ8.4 123.42,97.15 123.62,96.96 RU6.24
cam.y.4: length 11.7
  Front w0.15: RU6.25 123.62,95.69 122.65,96.65 RJ8.3
cam.y.5: length 11.6
  Front w0.15: RU6.23 123.62,98.23 123.04,97.65 RJ8.5
cam.y.6: length 12.2
  Front w0.15: RU6.21 121.36,100.77 119.25,98.65 RJ8.7
cam.y.7: length 12.9
  Front w0.15: RJ8.9 119.04,99.65 122.69,103.31 RU6.19
cam.y.8: length 13
  Front w0.15: RU6.18 122.66,104.58 118.73,100.65 RJ8.11
cam.y.9: length 14.1
  Front w0.15: RU6.15 123.08,108.39 116.35,101.65 RJ8.13
center.dout: length 83.3
  Front w0.2: v3(134.26,37.2) 133.01,35.95 133.01,27.2 131.01,25.2 122.02,25.2 119.02,22.2 119.02,21.7 118.52,21.2 111.02,21.2 110.48,21.74 CD62.3 ; 153.92,70.85 153.82,70.85 153.75,70.85 153.68,70.84 153.6,70.84 153.52,70.84 153.44,70.84 153.34,70.83 153.25,70.83 153.15,70.82 153.05,70.82 152.95,70.81 152.74,70.79 152.63,70.78 152.52,70.77 152.42,70.76 152.31,70.75 152.21,70.73 152.11,70.72 152.01,70.7 151.91,70.69 151.82,70.67 151.73,70.65 151.56,70.6 151.47,70.58 151.38,70.56 151.28,70.55 151.18,70.53 151.08,70.52 150.98,70.5 150.87,70.49 150.77,70.48 150.55,70.46 150.34,70.44 150.24,70.43 150.14,70.43 150.04,70.42 149.95,70.42 149.85,70.41 149.77,70.41 149.69,70.41 149.61,70.41 149.54,70.4 149.42,70.4 149.37,70.4 149.32,70.4 149.29,70.4 145.36,70.4 145.29,70.4 145.23,70.39 145.17,70.39 145.11,70.38 145.05,70.36 144.99,70.35 144.93,70.33 144.87,70.31 144.82,70.28 144.76,70.26 144.71,70.23 144.66,70.2 144.61,70.16 144.56,70.12 144.51,70.09 144.47,70.05 144.43,70.01 144.39,69.96 144.35,69.91 144.31,69.87 144.28,69.82 144.25,69.77 144.22,69.71 144.19,69.66 144.16,69.6 144.14,69.54 144.12,69.48 144.1,69.42 144.09,69.36 144.08,69.3 144.07,69.26 144.07,69.23 144.06,69.19 144.05,69.15 144.04,69.1 144.02,69.04 144,68.98 143.98,68.91 143.96,68.84 143.94,68.76 143.91,68.69 143.87,68.6 143.84,68.52 143.8,68.43 143.75,68.34 143.71,68.26 143.66,68.17 143.6,68.08 143.54,67.99 143.48,67.9 143.41,67.82 143.33,67.73 143.25,67.65 143.17,67.57 143.08,67.5 142.99,67.43 142.89,67.36 142.67,67.24 142.57,67.17 142.48,67.1 142.39,67.03 142.31,66.95 142.23,66.87 142.15,66.78 142.08,66.7 142.02,66.61 141.96,66.52 141.9,66.43 141.85,66.34 141.81,66.26 141.76,66.17 141.72,66.08 141.69,66 141.65,65.92 141.62,65.84 141.6,65.76 141.57,65.69 141.56,65.62 141.54,65.56 141.52,65.5 141.51,65.45 141.5,65.41 141.49,65.37 141.49,65.34 141.48,65.3 v3(137.73,40.3)
  Back w0.2: v3(137.73,40.3) 137.52,38.9 137.5,38.81 137.48,38.71 137.46,38.62 137.43,38.53 137.39,38.44 137.35,38.35 137.31,38.27 137.26,38.18 137.22,38.1 137.16,38.03 137.11,37.95 137.05,37.88 136.98,37.81 136.92,37.75 136.85,37.69 136.78,37.62 136.7,37.57 136.62,37.52 136.54,37.47 136.46,37.42 136.38,37.38 136.29,37.35 136.2,37.31 136.11,37.28 136.02,37.26 135.93,37.24 135.84,37.22 135.74,37.21 135.64,37.2 135.54,37.2 v3(134.26,37.2)
